# KiCad board Tiling_Flex_V1.kicad_pcb
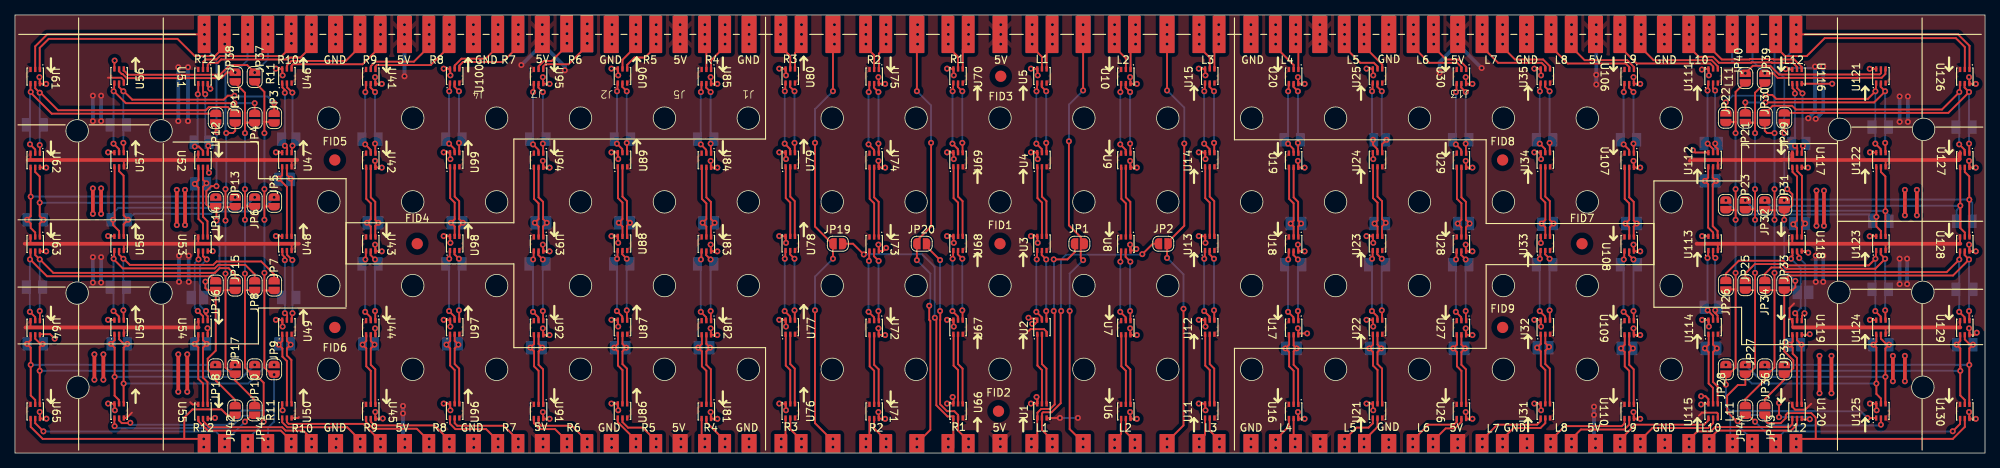
[diagram p0: board, top side]
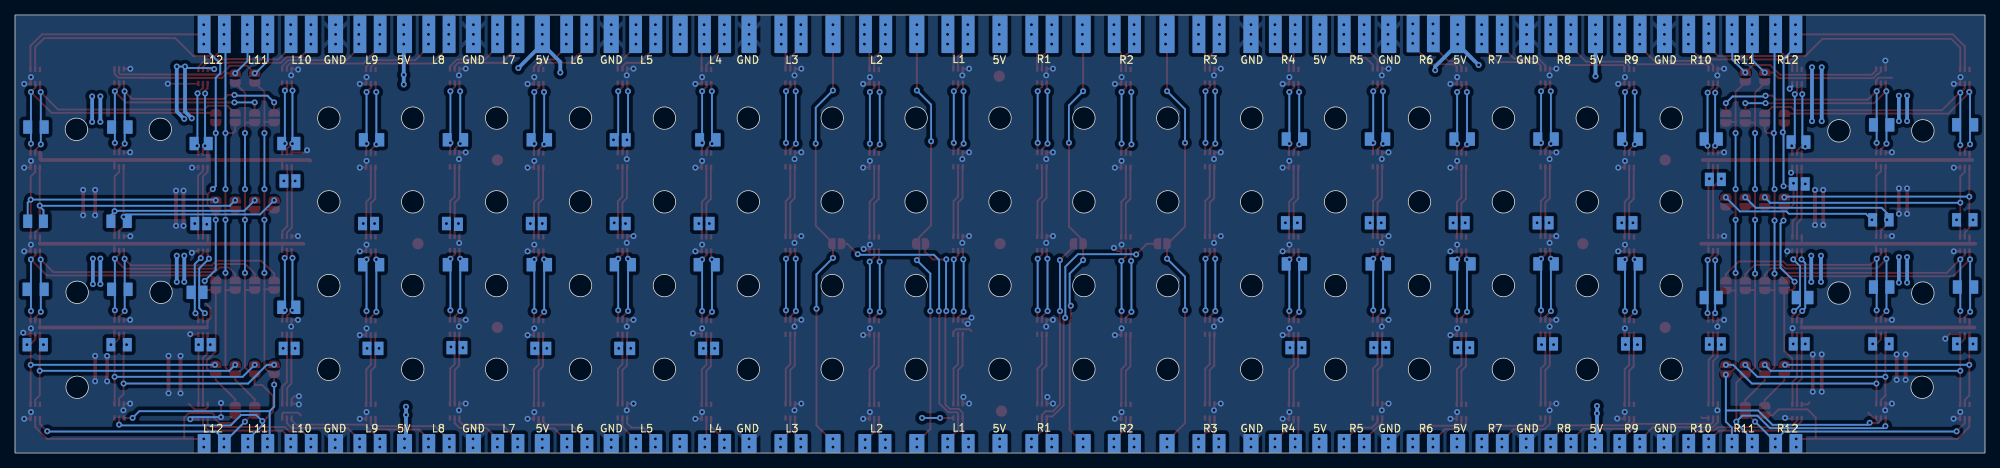
[diagram p1: board, bottom side, seen from below]

Outline 263 x 58.6 mm; copper layers: Top, Bottom. Coordinates in mm from the lower left corner of the outline.
Outline path: rectangle 0,58.6 263,0 ; circle c8.3,43.1 r1.5 ; circle c8.3,21.4 r1.5 ; circle c8.4,8.8 r1.5 ; circle c19.5,43.1 r1.5 ; circle c19.5,21.4 r1.5 ; circle c41.9,44.8 r1.5 ; circle c41.9,33.6 r1.5 ; circle c41.9,22.4 r1.5 ; circle c41.9,11.2 r1.5 ; circle c53.1,44.8 r1.5 ; circle c53.1,33.6 r1.5 ; circle c53.1,22.4 r1.5 ; circle c53.1,11.2 r1.5 ; circle c64.3,44.8 r1.5 ; circle c64.3,33.6 r1.5 ; circle c64.3,22.4 r1.5 ; circle c64.3,11.2 r1.5 ; circle c75.5,44.8 r1.5 ; circle c75.5,33.6 r1.5 ; circle c75.5,22.4 r1.5 ; circle c75.5,11.2 r1.5 ; circle c86.7,44.8 r1.5 ; circle c86.7,33.6 r1.5 ; circle c86.7,22.4 r1.5 ; circle c86.7,11.2 r1.5 ; circle c97.9,44.8 r1.5 ; circle c97.9,33.6 r1.5 ; circle c97.9,22.4 r1.5 ; circle c97.9,11.2 r1.5 ; circle c109.1,44.8 r1.5 ; circle c109.1,33.6 r1.5 ; circle c109.1,22.4 r1.5 ; circle c109.1,11.2 r1.5 ; circle c120.3,44.8 r1.5 ; circle c120.3,33.6 r1.5 ; circle c120.3,22.4 r1.5 ; circle c120.3,11.2 r1.5 ; circle c131.5,44.8 r1.5 ; circle c131.5,33.6 r1.5 ; circle c131.5,22.4 r1.5 ; circle c131.5,11.2 r1.5 ; circle c142.7,44.8 r1.5 ; circle c142.7,33.6 r1.5 ; circle c142.7,22.4 r1.5 ; circle c142.7,11.2 r1.5 ; circle c153.9,44.8 r1.5 ; circle c153.9,33.6 r1.5 ; circle c153.9,22.4 r1.5 ; circle c153.9,11.2 r1.5 ; circle c165.1,44.8 r1.5 ; circle c165.1,33.6 r1.5 ; circle c165.1,22.4 r1.5 ; circle c165.1,11.2 r1.5 ; circle c176.3,44.8 r1.5 ; circle c176.3,33.6 r1.5 ; circle c176.3,22.4 r1.5 ; circle c176.3,11.2 r1.5 ; circle c187.5,44.8 r1.5 ; circle c187.5,33.6 r1.5 ; circle c187.5,22.4 r1.5 ; circle c187.5,11.2 r1.5 ; circle c198.7,44.8 r1.5 ; circle c198.7,33.6 r1.5 ; circle c198.7,22.4 r1.5 ; circle c198.7,11.2 r1.5 ; circle c209.9,44.8 r1.5 ; circle c209.9,33.6 r1.5 ; circle c209.9,22.4 r1.5 ; circle c209.9,11.2 r1.5 ; circle c221.1,44.8 r1.5 ; circle c221.1,33.6 r1.5 ; circle c221.1,22.4 r1.5 ; circle c221.1,11.2 r1.5 ; circle c243.5,21.5 r1.5 ; circle c243.6,43.3 r1.5 ; circle c254.7,21.5 r1.5 ; circle c254.7,8.8 r1.5 ; circle c254.8,43.3 r1.5
Stack: Top 0.035mm / dielectric 0.11mm Kapton er 3.2 / Bottom 0.035mm

## Placement (name value [footprint] x y rotation side)
FID1  Fiducial  [Fiducial_1.5mm_Mask3mm]  131.5 28 0 top
FID2  Fiducial  [Fiducial_1.5mm_Mask3mm]  131.3 5.6 0 top
FID3  Fiducial  [Fiducial_1.5mm_Mask3mm]  131.6 50.4 0 top
FID4  Fiducial  [Fiducial_1.5mm_Mask3mm]  53.7 28 0 top
FID5  Fiducial  [Fiducial_1.5mm_Mask3mm]  42.7 39.2 0 top
FID6  Fiducial  [Fiducial_1.5mm_Mask3mm]  42.7 16.8 0 top
FID7  Fiducial  [Fiducial_1.5mm_Mask3mm]  209.2 28 0 top
FID8  Fiducial  [Fiducial_1.5mm_Mask3mm]  198.6 39.2 0 top
FID9  Fiducial  [Fiducial_1.5mm_Mask3mm]  198.6 16.8 0 top
J1  Conn_01x01_Pin  [SnowBoard Power Pads]  98 56 180 top
J2  Conn_01x01_Pin  [SnowBoard Power Pads]  79.6 56 180 top
J3  Conn_01x01_Pin  [SnowBoard Power Pads]  131.5 56 180 top
J4  Conn_01x01_Pin  [SnowBoard Power Pads]  61.2 56 180 top
J5  Conn_01x01_Pin  [SnowBoard Power Pads]  88.8 56 180 top
J6  Conn_01x01_Pin  [SnowBoard Power Pads]  42.8 56 180 top
J7  Conn_01x01_Pin  [SnowBoard Power Pads]  70.4 56 180 top
J8  Conn_01x01_Pin  [SnowBoard Power Pads]  183.4 56 180 top
J9  Conn_01x01_Pin  [SnowBoard Power Pads]  52 56 180 top
J10  Conn_01x01_Pin  [SnowBoard Power Pads]  201.8 56 180 top
J11  Conn_01x01_Pin  [SnowBoard Power Pads]  211 56 180 top
J12  Conn_01x01_Pin  [SnowBoard Power Pads]  165 56 180 top
J13  Conn_01x01_Pin  [SnowBoard Power Pads]  192.6 56 180 top
J14  Conn_01x01_Pin  [SnowBoard Power Pads]  220.2 56 180 top
J15  Conn_01x01_Pin  [SnowBoard Power Pads]  174.2 56 180 top
J16  Conn_01x01_Pin  [SnowBoard Power Pads Short]  43 1.3 180 top
J17  Conn_01x01_Pin  [SnowBoard Power Pads Short]  52.2 1.3 180 top
J18  Conn_01x01_Pin  [SnowBoard Power Pads Short]  61.4 1.3 180 top
J19  Conn_01x01_Pin  [SnowBoard Power Pads Short]  70.6 1.3 180 top
J20  Conn_01x01_Pin  [SnowBoard Power Pads Short]  79.8 1.3 180 top
J21  Conn_01x01_Pin  [SnowBoard Power Pads Short]  89 1.3 180 top
J22  Conn_01x01_Pin  [SnowBoard Power Pads Short]  98.2 1.3 180 top
J23  Conn_01x01_Pin  [SnowBoard Power Pads Short]  131.7 1.3 180 top
J24  Conn_01x01_Pin  [SnowBoard Power Pads Short]  165.2 1.3 180 top
J25  Conn_01x01_Pin  [SnowBoard Power Pads Short]  174.4 1.3 180 top
J26  Conn_01x01_Pin  [SnowBoard Power Pads Short]  183.6 1.3 180 top
J27  Conn_01x01_Pin  [SnowBoard Power Pads Short]  192.8 1.3 180 top
J28  Conn_01x01_Pin  [SnowBoard Power Pads Short]  202 1.3 180 top
J29  Conn_01x01_Pin  [SnowBoard Power Pads Short]  211.2 1.3 180 top
J30  Conn_01x01_Pin  [SnowBoard Power Pads Short]  220.4 1.3 180 top
J31  Conn_01x02_Pin  [Snowboard_Flex_Solder_pad_short]  137.1 1.3 180 top
J32  Conn_01x02_Socket  [Snowboard_Flex_Solder_Pad]  137.1 56 180 top
J33  Conn_01x02_Socket  [SnowBoard Flex Pass Through Pads]  148.2 56 0 top
J34  Conn_01x02_Pin  [SnowBoard Flex Pass Through Pads Short]  148.2 1.3 0 top
J35  Conn_01x02_Socket  [Snowboard_Flex_Solder_pad_short]  148.2 1.3 0 top
J36  Conn_01x02_Pin  [Snowboard_Flex_Solder_Pad]  148.1 56 0 top
J37  Conn_01x02_Pin  [Snowboard_Flex_Solder_pad_short]  159.4 1.3 180 top
J38  Conn_01x02_Socket  [Snowboard_Flex_Solder_Pad]  159.4 56 180 top
J39  Conn_01x02_Socket  [Snowboard_Flex_Solder_pad_short]  169.6 1.3 0 top
J40  Conn_01x02_Pin  [Snowboard_Flex_Solder_Pad]  169.6 56 0 top
J41  Conn_01x02_Pin  [Snowboard_Flex_Solder_pad_short]  178.8 1.3 180 top
J42  Conn_01x02_Socket  [Snowboard_Flex_Solder_Pad]  178.8 56 180 top
J43  Conn_01x02_Socket  [Snowboard_Flex_Solder_pad_short]  188 1.3 0 top
J44  Conn_01x02_Pin  [Snowboard_Flex_Solder_Pad]  188 56 0 top
J45  Conn_01x02_Pin  [Snowboard_Flex_Solder_pad_short]  197.2 1.3 180 top
J46  Conn_01x02_Socket  [Snowboard_Flex_Solder_Pad]  197.2 56 180 top
J47  Conn_01x01_Pin  [Test Pad]  46.4 14.6 0 top
J48  Conn_01x01_Pin  [Test Pad]  214.4 14 0 top
J49  Conn_01x02_Pin  [Snowboard_Flex_Solder_Pad]  56.6 56 0 top
J50  Conn_01x02_Socket  [Snowboard_Flex_Solder_pad_short]  56.6 1.3 0 top
J51  Conn_01x02_Socket  [Snowboard_Flex_Solder_Pad]  47.4 56 180 top
J52  Conn_01x02_Pin  [Snowboard_Flex_Solder_pad_short]  47.4 1.3 180 top
J53  Conn_01x02_Pin  [Snowboard_Flex_Solder_Pad]  38.2 56 0 top
J54  Conn_01x02_Socket  [Snowboard_Flex_Solder_pad_short]  38.2 1.3 0 top
J55  Conn_01x02_Socket  [Snowboard_Flex_Solder_Pad]  32.4 56 180 top
J56  Conn_01x02_Pin  [Snowboard_Flex_Solder_pad_short]  32.4 1.3 180 top
J57  Conn_01x02_Pin  [Snowboard_Flex_Solder_Pad]  26.6 56 0 top
J58  Conn_01x02_Socket  [Snowboard_Flex_Solder_pad_short]  26.6 1.3 0 top
J59  Conn_01x02_Pin  [Snowboard_Flex_Solder_pad_short]  125.9 1.3 180 top
J60  Conn_01x02_Socket  [Snowboard_Flex_Solder_Pad]  125.9 56 180 top
J61  Conn_01x02_Socket  [SnowBoard Flex Pass Through Pads]  114.8 56 0 top
J62  Conn_01x02_Pin  [SnowBoard Flex Pass Through Pads Short]  114.8 1.3 0 top
J63  Conn_01x02_Socket  [Snowboard_Flex_Solder_pad_short]  114.9 1.3 0 top
J64  Conn_01x02_Pin  [Snowboard_Flex_Solder_Pad]  114.9 56 0 top
J65  Conn_01x02_Pin  [Snowboard_Flex_Solder_pad_short]  103.6 1.3 180 top
J66  Conn_01x02_Socket  [Snowboard_Flex_Solder_Pad]  103.6 56 180 top
J67  Conn_01x02_Socket  [Snowboard_Flex_Solder_pad_short]  93.4 1.3 0 top
J68  Conn_01x02_Pin  [Snowboard_Flex_Solder_Pad]  93.4 56 0 top
J69  Conn_01x02_Pin  [Snowboard_Flex_Solder_pad_short]  84.2 1.3 180 top
J70  Conn_01x02_Socket  [Snowboard_Flex_Solder_Pad]  84.2 56 180 top
J71  Conn_01x02_Socket  [Snowboard_Flex_Solder_pad_short]  75 1.3 0 top
J72  Conn_01x02_Pin  [Snowboard_Flex_Solder_Pad]  75 56.1 0 top
J73  Conn_01x02_Pin  [Snowboard_Flex_Solder_pad_short]  65.8 1.3 180 top
J74  Conn_01x02_Socket  [Snowboard_Flex_Solder_Pad]  65.8 56 180 top
J75  Conn_01x01_Pin  [Test Pad]  48 14.6 0 top
J76  Conn_01x01_Pin  [Test Pad]  216 14 0 top
J77  Conn_01x02_Pin  [Snowboard_Flex_Solder_Pad]  206.4 56 0 top
J78  Conn_01x02_Socket  [Snowboard_Flex_Solder_pad_short]  206.4 1.3 0 top
J79  Conn_01x02_Socket  [Snowboard_Flex_Solder_Pad]  215.6 56 180 top
J80  Conn_01x02_Pin  [Snowboard_Flex_Solder_pad_short]  215.6 1.3 180 top
J81  Conn_01x02_Pin  [Snowboard_Flex_Solder_Pad]  224.8 56 0 top
J82  Conn_01x02_Socket  [Snowboard_Flex_Solder_pad_short]  224.8 1.3 0 top
J83  Conn_01x02_Socket  [Snowboard_Flex_Solder_Pad]  230.6 56 180 top
J84  Conn_01x02_Pin  [Snowboard_Flex_Solder_pad_short]  230.6 1.3 180 top
J85  Conn_01x02_Pin  [Snowboard_Flex_Solder_Pad]  236.4 56 0 top
J86  Conn_01x02_Socket  [Snowboard_Flex_Solder_pad_short]  236.4 1.3 0 top
J87  Conn_01x01_Pin  [Test Pad]  46.3 25.3 0 top
J88  Conn_01x01_Pin  [Test Pad]  48.5 25.3 0 top
J89  Conn_01x01_Pin  [Test Pad]  214.3 25.2 0 top
J90  Conn_01x01_Pin  [Test Pad]  216.6 25.2 0 top
J91  Conn_01x01_Pin  [Test Pad]  47 30.8 0 top
J92  Conn_01x01_Pin  [Test Pad]  48.6 30.8 0 top
J93  Conn_01x01_Pin  [Test Pad]  215 30.7 0 top
J94  Conn_01x01_Pin  [Test Pad]  216.6 30.7 0 top
J95  Conn_01x01_Pin  [Test Pad]  46.3 42 0 top
J96  Conn_01x01_Pin  [Test Pad]  48.5 42 0 top
J97  Conn_01x01_Pin  [Test Pad]  214.3 41.9 0 top
J98  Conn_01x01_Pin  [Test Pad]  216.5 41.9 0 top
J99  Conn_01x01_Pin  [Test Pad]  35.2 14.6 0 top
J100  Conn_01x01_Pin  [Test Pad]  36.8 14.6 0 top
J101  Conn_01x01_Pin  [Test Pad]  225.6 14 0 top
J102  Conn_01x01_Pin  [Test Pad]  227.2 14 0 top
J103  Conn_01x01_Pin  [Test Pad]  35.6 20.8 0 top
J104  Conn_01x01_Pin  [Test Pad]  37.5 20.8 0 top
J105  Conn_01x01_Pin  [Test Pad]  225.5 19.5 0 top
J106  Conn_01x01_Pin  [Test Pad]  227.4 19.5 0 top
J107  Conn_01x01_Pin  [Test Pad]  35.2 36.6 0 top
J108  Conn_01x01_Pin  [Test Pad]  36.8 36.6 0 top
J109  Conn_01x01_Pin  [Test Pad]  225.5 36.4 0 top
J110  Conn_01x01_Pin  [Test Pad]  227.1 36.4 0 top
J111  Conn_01x01_Pin  [Test Pad]  35.6 42 0 top
J112  Conn_01x01_Pin  [Test Pad]  37.5 42 0 top
J113  Conn_01x01_Pin  [Test Pad]  225.5 41.4 0 top
J114  Conn_01x01_Pin  [Test Pad]  227.4 41.4 0 top
J115  Conn_01x01_Pin  [Test Pad]  23.9 41.6 0 top
J116  Conn_01x01_Pin  [Test Pad]  25.9 41.6 0 top
J117  Conn_01x01_Pin  [Test Pad]  237.2 41.4 0 top
J118  Conn_01x01_Pin  [Test Pad]  239.1 41.4 0 top
J119  Conn_01x01_Pin  [Test Pad]  24 36 0 top
J120  Conn_01x01_Pin  [Test Pad]  25.6 36 0 top
J121  Conn_01x01_Pin  [Test Pad]  237.4 30.7 0 top
J122  Conn_01x01_Pin  [Test Pad]  239 30.7 0 top
J123  Conn_01x01_Pin  [Test Pad]  23.5 20.8 0 top
J124  Conn_01x01_Pin  [Test Pad]  25.2 20.8 0 top
J125  Conn_01x01_Pin  [Test Pad]  237.9 21.5 0 top
J126  Conn_01x01_Pin  [Test Pad]  239.5 21.5 0 top
J127  Conn_01x01_Pin  [Test Pad]  24 14.6 0 top
J128  Conn_01x01_Pin  [Test Pad]  25.6 14.6 0 top
J129  Conn_01x01_Pin  [Test Pad]  236.8 14.5 0 top
J130  Conn_01x01_Pin  [Test Pad]  238.4 14.5 0 top
J131  Conn_01x01_Pin  [Test Pad]  12.8 14.6 0 top
J132  Conn_01x01_Pin  [Test Pad]  15 14.6 0 top
J133  Conn_01x01_Pin  [Test Pad]  248 14.5 0 top
J134  Conn_01x01_Pin  [Test Pad]  250.2 14.5 0 top
J135  Conn_01x01_Pin  [Test Pad]  12.7 22.2 0 top
J136  Conn_01x01_Pin  [Test Pad]  14.9 22.2 0 top
J137  Conn_01x01_Pin  [Test Pad]  247.9 21.9 0 top
J138  Conn_01x01_Pin  [Test Pad]  250.1 21.9 0 top
J139  Conn_01x01_Pin  [Test Pad]  12.8 31.2 0 top
J140  Conn_01x01_Pin  [Test Pad]  15 31.2 0 top
J141  Conn_01x01_Pin  [Test Pad]  248 31 0 top
J142  Conn_01x01_Pin  [Test Pad]  250.2 31 0 top
J143  Conn_01x01_Pin  [Test Pad]  12.7 43.9 0 top
J144  Conn_01x01_Pin  [Test Pad]  14.9 43.9 0 top
J145  Conn_01x01_Pin  [Test Pad]  247.9 43.6 0 top
J146  Conn_01x01_Pin  [Test Pad]  250.1 43.6 0 top
J147  Conn_01x01_Pin  [Test Pad]  1.6 14.6 0 top
J148  Conn_01x01_Pin  [Test Pad]  3.8 14.6 0 top
J149  Conn_01x01_Pin  [Test Pad]  259.2 14.5 0 top
J150  Conn_01x01_Pin  [Test Pad]  261.4 14.5 0 top
J151  Conn_01x01_Pin  [Test Pad]  1.5 22.2 0 top
J152  Conn_01x01_Pin  [Test Pad]  3.7 22.2 0 top
J153  Conn_01x01_Pin  [Test Pad]  259.1 21.9 0 top
J154  Conn_01x01_Pin  [Test Pad]  261.4 21.9 0 top
J155  Conn_01x01_Pin  [Test Pad]  1.6 31.2 0 top
J156  Conn_01x01_Pin  [Test Pad]  3.8 31.2 0 top
J157  Conn_01x01_Pin  [Test Pad]  259.2 31 0 top
J158  Conn_01x01_Pin  [Test Pad]  261.3 31 0 top
J159  Conn_01x01_Pin  [Test Pad]  1.5 43.9 0 top
J160  Conn_01x01_Pin  [Test Pad]  3.8 43.9 0 top
J161  Conn_01x01_Pin  [Test Pad]  259.1 43.6 0 top
J162  Conn_01x01_Pin  [Test Pad]  261.3 43.6 0 top
J211  Conn_01x01_Pin  [Test Pad]  169.4 41.9 0 top
J212  Conn_01x01_Pin  [Test Pad]  171.6 41.9 0 top
J213  Conn_01x01_Pin  [Test Pad]  91.1 42 0 top
J214  Conn_01x01_Pin  [Test Pad]  93.3 42 0 top
J215  Conn_01x01_Pin  [Test Pad]  170.2 30.7 0 top
J216  Conn_01x01_Pin  [Test Pad]  171.8 30.7 0 top
J217  Conn_01x01_Pin  [Test Pad]  91.8 30.8 0 top
J218  Conn_01x01_Pin  [Test Pad]  93.4 30.8 0 top
J219  Conn_01x01_Pin  [Test Pad]  169.5 25.2 0 top
J220  Conn_01x01_Pin  [Test Pad]  171.8 25.2 0 top
J221  Conn_01x01_Pin  [Test Pad]  91.1 25.3 0 top
J222  Conn_01x01_Pin  [Test Pad]  93.3 25.3 0 top
J223  Conn_01x01_Pin  [Test Pad]  169.6 14 0 top
J224  Conn_01x01_Pin  [Test Pad]  171.2 14 0 top
J225  Conn_01x01_Pin  [Test Pad]  91.2 14.1 0 top
J226  Conn_01x01_Pin  [Test Pad]  92.8 14.1 0 top
J227  Conn_01x01_Pin  [Test Pad]  180.8 14 0 top
J228  Conn_01x01_Pin  [Test Pad]  182.4 14 0 top
J229  Conn_01x01_Pin  [Test Pad]  80 14.1 0 top
J230  Conn_01x01_Pin  [Test Pad]  81.6 14.1 0 top
J231  Conn_01x01_Pin  [Test Pad]  180.7 25.2 0 top
J232  Conn_01x01_Pin  [Test Pad]  183 25.2 0 top
J233  Conn_01x01_Pin  [Test Pad]  79.9 25.3 0 top
J234  Conn_01x01_Pin  [Test Pad]  82.1 25.3 0 top
J235  Conn_01x01_Pin  [Test Pad]  181.4 30.7 0 top
J236  Conn_01x01_Pin  [Test Pad]  183 30.7 0 top
J237  Conn_01x01_Pin  [Test Pad]  80.6 30.8 0 top
J238  Conn_01x01_Pin  [Test Pad]  82.2 30.8 0 top
J239  Conn_01x01_Pin  [Test Pad]  181.4 41.9 0 top
J240  Conn_01x01_Pin  [Test Pad]  183 41.9 0 top
J241  Conn_01x01_Pin  [Test Pad]  80 42 0 top
J242  Conn_01x01_Pin  [Test Pad]  82.2 42 0 top
J243  Conn_01x01_Pin  [Test Pad]  191.9 41.9 0 top
J244  Conn_01x01_Pin  [Test Pad]  194.1 41.9 0 top
J245  Conn_01x01_Pin  [Test Pad]  68.7 42 0 top
J246  Conn_01x01_Pin  [Test Pad]  70.9 42 0 top
J247  Conn_01x01_Pin  [Test Pad]  192.6 30.7 0 top
J248  Conn_01x01_Pin  [Test Pad]  194.2 30.7 0 top
J249  Conn_01x01_Pin  [Test Pad]  69.4 30.8 0 top
J250  Conn_01x01_Pin  [Test Pad]  71 30.8 0 top
J251  Conn_01x01_Pin  [Test Pad]  191.9 25.2 0 top
J252  Conn_01x01_Pin  [Test Pad]  194.1 25.2 0 top
J253  Conn_01x01_Pin  [Test Pad]  68.6 25.3 0 top
J254  Conn_01x01_Pin  [Test Pad]  70.9 25.3 0 top
J255  Conn_01x01_Pin  [Test Pad]  192 14 0 top
J256  Conn_01x01_Pin  [Test Pad]  193.6 14 0 top
J257  Conn_01x01_Pin  [Test Pad]  68.8 14.1 0 top
J258  Conn_01x01_Pin  [Test Pad]  70.4 14.1 0 top
J259  Conn_01x01_Pin  [Test Pad]  203.2 14.1 0 top
J260  Conn_01x01_Pin  [Test Pad]  204.8 14.1 0 top
J261  Conn_01x01_Pin  [Test Pad]  57.6 14.6 0 top
J262  Conn_01x01_Pin  [Test Pad]  59.2 14.6 0 top
J263  Conn_01x01_Pin  [Test Pad]  203.1 25.2 0 top
J264  Conn_01x01_Pin  [Test Pad]  205.3 25.2 0 top
J265  Conn_01x01_Pin  [Test Pad]  57.5 25.3 0 top
J266  Conn_01x01_Pin  [Test Pad]  59.7 25.3 0 top
J267  Conn_01x01_Pin  [Test Pad]  203.8 30.6 0 top
J268  Conn_01x01_Pin  [Test Pad]  205.4 30.7 0 top
J269  Conn_01x01_Pin  [Test Pad]  58.2 30.8 0 top
J270  Conn_01x01_Pin  [Test Pad]  59.8 30.8 0 top
J271  Conn_01x01_Pin  [Test Pad]  203.1 41.9 0 top
J272  Conn_01x01_Pin  [Test Pad]  205.3 41.9 0 top
J273  Conn_01x01_Pin  [Test Pad]  57.5 42 0 top
J274  Conn_01x01_Pin  [Test Pad]  59.7 42 0 top
JP1  SolderJumper_2_Open  [SolderJumper-2_P1.3mm_Open_RoundedPad1.0x1.5mm]  142.1 28 0 top
JP2  SolderJumper_2_Open  [SolderJumper-2_P1.3mm_Open_RoundedPad1.0x1.5mm]  153.3 28 0 top
JP3  SolderJumper_2_Open  [SolderJumper-2_P1.3mm_Open_RoundedPad1.0x1.5mm]  34.6 44.8 270 top
JP4  SolderJumper_2_Open  [SolderJumper-2_P1.3mm_Open_RoundedPad1.0x1.5mm]  32 44.8 270 top
JP5  SolderJumper_2_Open  [SolderJumper-2_P1.3mm_Open_RoundedPad1.0x1.5mm]  34.6 33.6 270 top
JP6  SolderJumper_2_Open  [SolderJumper-2_P1.3mm_Open_RoundedPad1.0x1.5mm]  32 33.6 270 top
JP7  SolderJumper_2_Open  [SolderJumper-2_P1.3mm_Open_RoundedPad1.0x1.5mm]  34.6 22.4 270 top
JP8  SolderJumper_2_Open  [SolderJumper-2_P1.3mm_Open_RoundedPad1.0x1.5mm]  32 22.4 270 top
JP9  SolderJumper_2_Open  [SolderJumper-2_P1.3mm_Open_RoundedPad1.0x1.5mm]  34.6 11.2 270 top
JP10  SolderJumper_2_Open  [SolderJumper-2_P1.3mm_Open_RoundedPad1.0x1.5mm]  32 11.2 270 top
JP11  SolderJumper_2_Open  [SolderJumper-2_P1.3mm_Open_RoundedPad1.0x1.5mm]  29.4 44.8 270 top
JP12  SolderJumper_2_Open  [SolderJumper-2_P1.3mm_Open_RoundedPad1.0x1.5mm]  26.8 44.8 270 top
JP13  SolderJumper_2_Open  [SolderJumper-2_P1.3mm_Open_RoundedPad1.0x1.5mm]  29.4 33.6 270 top
JP14  SolderJumper_2_Open  [SolderJumper-2_P1.3mm_Open_RoundedPad1.0x1.5mm]  26.8 33.6 270 top
JP15  SolderJumper_2_Open  [SolderJumper-2_P1.3mm_Open_RoundedPad1.0x1.5mm]  29.4 22.4 270 top
JP16  SolderJumper_2_Open  [SolderJumper-2_P1.3mm_Open_RoundedPad1.0x1.5mm]  26.8 22.4 270 top
JP17  SolderJumper_2_Open  [SolderJumper-2_P1.3mm_Open_RoundedPad1.0x1.5mm]  29.4 11.2 90 top
JP18  SolderJumper_2_Open  [SolderJumper-2_P1.3mm_Open_RoundedPad1.0x1.5mm]  26.8 11.2 270 top
JP19  SolderJumper_2_Open  [SolderJumper-2_P1.3mm_Open_RoundedPad1.0x1.5mm]  109.85 28 180 top
JP20  SolderJumper_2_Open  [SolderJumper-2_P1.3mm_Open_RoundedPad1.0x1.5mm]  121.05 28 180 top
JP21  SolderJumper_2_Open  [SolderJumper-2_P1.3mm_Open_RoundedPad1.0x1.5mm]  231 44.85 270 top
JP22  SolderJumper_2_Open  [SolderJumper-2_P1.3mm_Open_RoundedPad1.0x1.5mm]  228.4 44.85 270 top
JP23  SolderJumper_2_Open  [SolderJumper-2_P1.3mm_Open_RoundedPad1.0x1.5mm]  231 33.2 270 top
JP24  SolderJumper_2_Open  [SolderJumper-2_P1.3mm_Open_RoundedPad1.0x1.5mm]  228.4 33.2 270 top
JP25  SolderJumper_2_Open  [SolderJumper-2_P1.3mm_Open_RoundedPad1.0x1.5mm]  231 22.45 270 top
JP26  SolderJumper_2_Open  [SolderJumper-2_P1.3mm_Open_RoundedPad1.0x1.5mm]  228.4 22.45 270 top
JP27  SolderJumper_2_Open  [SolderJumper-2_P1.3mm_Open_RoundedPad1.0x1.5mm]  231 11.2 270 top
JP28  SolderJumper_2_Open  [SolderJumper-2_P1.3mm_Open_RoundedPad1.0x1.5mm]  228.4 11.2 270 top
JP29  SolderJumper_2_Open  [SolderJumper-2_P1.3mm_Open_RoundedPad1.0x1.5mm]  236.2 44.85 270 top
JP30  SolderJumper_2_Open  [SolderJumper-2_P1.3mm_Open_RoundedPad1.0x1.5mm]  233.6 44.85 270 top
JP31  SolderJumper_2_Open  [SolderJumper-2_P1.3mm_Open_RoundedPad1.0x1.5mm]  236.2 33.2 270 top
JP32  SolderJumper_2_Open  [SolderJumper-2_P1.3mm_Open_RoundedPad1.0x1.5mm]  233.6 33.2 270 top
JP33  SolderJumper_2_Open  [SolderJumper-2_P1.3mm_Open_RoundedPad1.0x1.5mm]  236.2 22.45 270 top
JP34  SolderJumper_2_Open  [SolderJumper-2_P1.3mm_Open_RoundedPad1.0x1.5mm]  233.6 22.45 270 top
JP35  SolderJumper_2_Open  [SolderJumper-2_P1.3mm_Open_RoundedPad1.0x1.5mm]  236.2 11.2 90 top
JP36  SolderJumper_2_Open  [SolderJumper-2_P1.3mm_Open_RoundedPad1.0x1.5mm]  233.6 11.2 270 top
JP37  SolderJumper_2_Open  [SolderJumper-2_P1.3mm_Open_RoundedPad1.0x1.5mm]  32 50.3 270 top
JP38  SolderJumper_2_Open  [SolderJumper-2_P1.3mm_Open_RoundedPad1.0x1.5mm]  29.4 50.3 270 top
JP39  SolderJumper_2_Open  [SolderJumper-2_P1.3mm_Open_RoundedPad1.0x1.5mm]  233.6 50.15 270 top
JP40  SolderJumper_2_Open  [SolderJumper-2_P1.3mm_Open_RoundedPad1.0x1.5mm]  231 50.15 270 top
JP41  SolderJumper_2_Open  [SolderJumper-2_P1.3mm_Open_RoundedPad1.0x1.5mm]  32 5.7 90 top
JP42  SolderJumper_2_Open  [SolderJumper-2_P1.3mm_Open_RoundedPad1.0x1.5mm]  29.4 5.7 90 top
JP43  SolderJumper_2_Open  [SolderJumper-2_P1.3mm_Open_RoundedPad1.0x1.5mm]  233.6 5.7 90 top
JP44  SolderJumper_2_Open  [SolderJumper-2_P1.3mm_Open_RoundedPad1.0x1.5mm]  231 5.7 90 top
U1  ~  [WS2816-2121]  137.1 5.6 90 top
U2  ~  [WS2816-2121]  137.1 16.8 90 top
U3  ~  [WS2816-2121]  137.1 28 90 top
U4  ~  [WS2816-2121]  137.1 39.2 90 top
U5  ~  [WS2816-2121]  137.1 50.4 90 top
U6  ~  [WS2816-2121]  148.3 5.6 270 top
U7  ~  [WS2816-2121]  148.3 16.8 270 top
U8  ~  [WS2816-2121]  148.3 28 270 top
U9  ~  [WS2816-2121]  148.3 39.2 270 top
U10  ~  [WS2816-2121]  148.3 50.4 270 top
U11  ~  [WS2816-2121]  159.5 5.6 90 top
U12  ~  [WS2816-2121]  159.5 16.8 90 top
U13  ~  [WS2816-2121]  159.5 28 90 top
U14  ~  [WS2816-2121]  159.5 39.2 90 top
U15  ~  [WS2816-2121]  159.5 50.4 90 top
U16  ~  [WS2816-2121]  170.7 5.6 270 top
U17  ~  [WS2816-2121]  170.7 16.8 270 top
U18  ~  [WS2816-2121]  170.7 28 270 top
U19  ~  [WS2816-2121]  170.7 39.2 270 top
U20  ~  [WS2816-2121]  170.7 50.4 270 top
U21  ~  [WS2816-2121]  181.9 5.6 90 top
U22  ~  [WS2816-2121]  181.9 16.8 90 top
U23  ~  [WS2816-2121]  181.9 28 90 top
U24  ~  [WS2816-2121]  181.9 39.2 90 top
U25  ~  [WS2816-2121]  181.9 50.4 90 top
U26  ~  [WS2816-2121]  193.1 5.6 270 top
U27  ~  [WS2816-2121]  193.1 16.8 270 top
U28  ~  [WS2816-2121]  193.1 28 270 top
U29  ~  [WS2816-2121]  193.1 39.2 270 top
U30  ~  [WS2816-2121]  193.1 50.4 270 top
U31  ~  [WS2816-2121]  204.3 5.6 90 top
U32  ~  [WS2816-2121]  204.3 16.8 90 top
U33  ~  [WS2816-2121]  204.3 28 90 top
U34  ~  [WS2816-2121]  204.3 39.2 90 top
U35  ~  [WS2816-2121]  204.3 50.4 90 top
U41  ~  [WS2816-2121]  47.5 50.4 270 top
U42  ~  [WS2816-2121]  47.5 39.2 270 top
U43  ~  [WS2816-2121]  47.5 28 270 top
U44  ~  [WS2816-2121]  47.5 16.8 270 top
U45  ~  [WS2816-2121]  47.5 5.6 270 top
U46  ~  [WS2816-2121]  36.3 50.4 90 top
U47  ~  [WS2816-2121]  36.3 39.2 90 top
U48  ~  [WS2816-2121]  36.3 28 90 top
U49  ~  [WS2816-2121]  36.3 16.8 90 top
U50  ~  [WS2816-2121]  36.3 5.6 90 top
U51  ~  [WS2816-2121]  25.1 50.4 270 top
U52  ~  [WS2816-2121]  25.1 39.2 270 top
U53  ~  [WS2816-2121]  25.1 28 270 top
U54  ~  [WS2816-2121]  25.1 16.8 270 top
U55  ~  [WS2816-2121]  25.1 5.6 270 top
U56  ~  [WS2816-2121]  13.9 50.4 90 top
U57  ~  [WS2816-2121]  13.9 39.2 90 top
U58  ~  [WS2816-2121]  13.9 28 90 top
U59  ~  [WS2816-2121]  13.9 16.8 90 top
U60  ~  [WS2816-2121]  13.9 5.6 90 top
U61  ~  [WS2816-2121]  2.7 50.4 270 top
U62  ~  [WS2816-2121]  2.7 39.2 270 top
U63  ~  [WS2816-2121]  2.7 28 270 top
U64  ~  [WS2816-2121]  2.7 16.8 270 top
U65  ~  [WS2816-2121]  2.7 5.6 270 top
U66  ~  [WS2816-2121]  125.9 5.6 90 top
U67  ~  [WS2816-2121]  125.9 16.8 90 top
U68  ~  [WS2816-2121]  125.9 28 90 top
U69  ~  [WS2816-2121]  125.9 39.2 90 top
U70  ~  [WS2816-2121]  125.9 50.4 90 top
U71  ~  [WS2816-2121]  114.7 5.6 270 top
U72  ~  [WS2816-2121]  114.7 16.8 270 top
U73  ~  [WS2816-2121]  114.7 28 270 top
U74  ~  [WS2816-2121]  114.7 39.2 270 top
U75  ~  [WS2816-2121]  114.7 50.4 270 top
U76  ~  [WS2816-2121]  103.5 5.6 90 top
U77  ~  [WS2816-2121]  103.5 16.8 90 top
U78  ~  [WS2816-2121]  103.5 28 90 top
U79  ~  [WS2816-2121]  103.5 39.2 90 top
U80  ~  [WS2816-2121]  103.5 50.4 90 top
U81  ~  [WS2816-2121]  92.3 5.6 270 top
U82  ~  [WS2816-2121]  92.3 16.8 270 top
U83  ~  [WS2816-2121]  92.3 28 270 top
U84  ~  [WS2816-2121]  92.3 39.2 270 top
U85  ~  [WS2816-2121]  92.3 50.4 270 top
U86  ~  [WS2816-2121]  81.1 5.6 90 top
U87  ~  [WS2816-2121]  81.1 16.8 90 top
U88  ~  [WS2816-2121]  81.1 28 90 top
U89  ~  [WS2816-2121]  81.1 39.2 90 top
U90  ~  [WS2816-2121]  81.1 50.4 90 top